# Altium PCB MOTHER_BOARD_V1.0.PcbDoc (part 2 of 2) (continued)
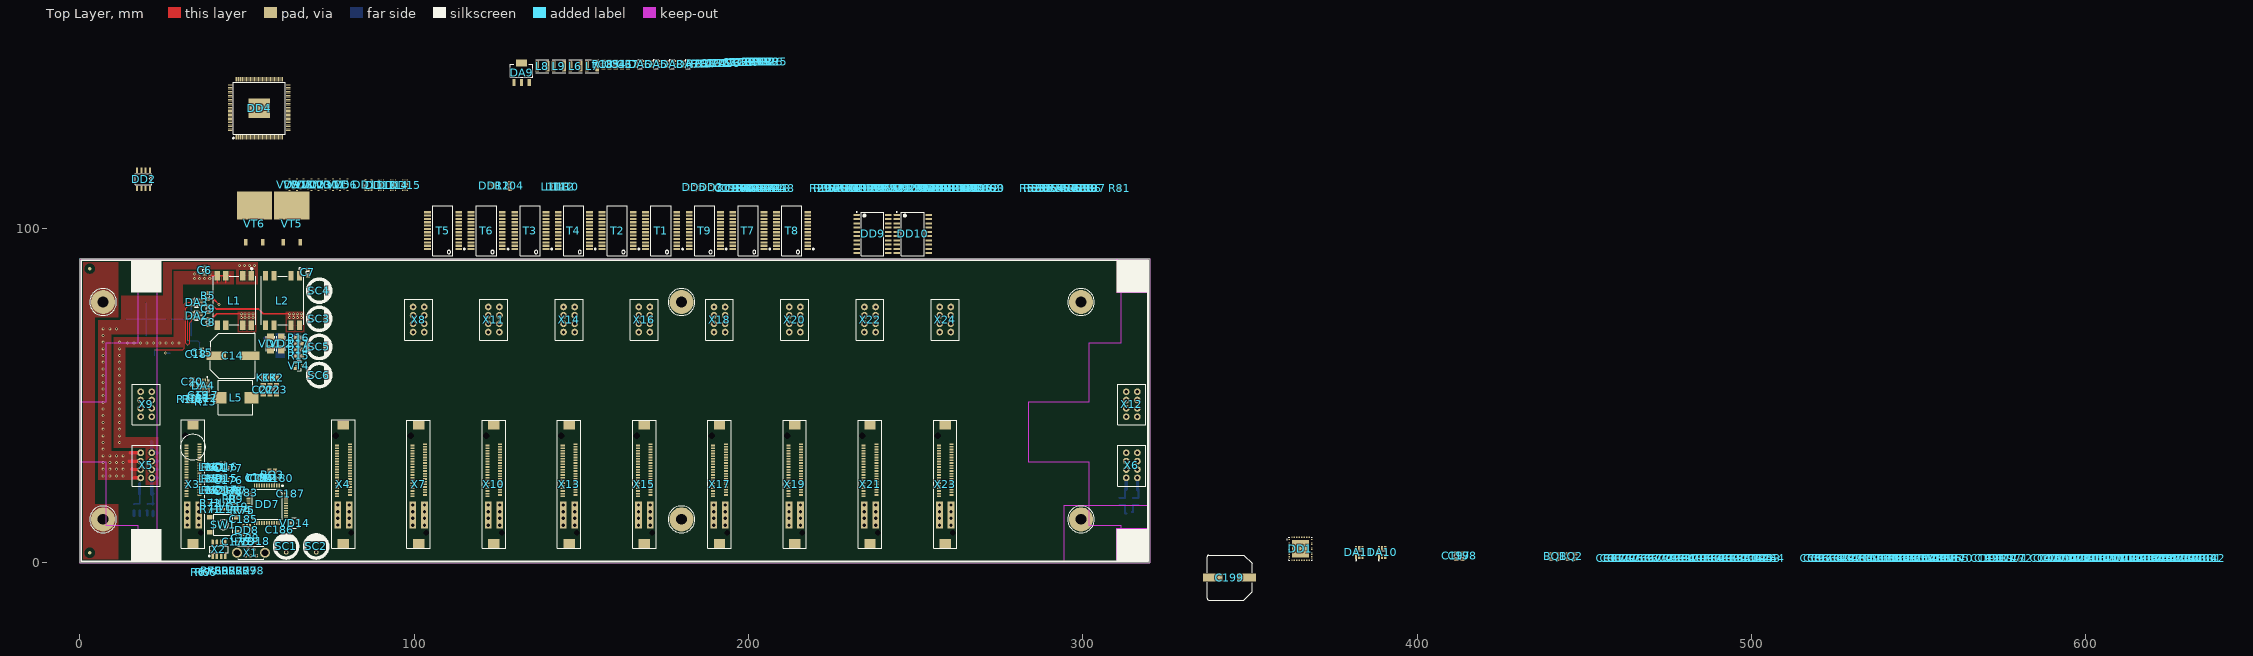
[diagram p0: Top Layer view]
## Nets (pads, with @x,y where several pads share a name; then routed paths per layer and width w, separated by ;. In a path a pad name is that pad's centre, name@x,y a point inside that pad or via, vN(x,y) a via of type N, cw(c..) or ccw(c..) an arc to the next point about the centre after c; other vN are vias at no path point) (continued)
P0_RXD1: DD1.31 DD4.97 R33.2
P0_RXD2: DD1.28 DD4.98 R34.2
P0_RXD3: DD1.27 DD4.99 R35.2
P0_TX_CLK: DD1.24 DD4.91
P0_TX_EN: DD1.25 DD4.90
P0_TXD0: DD1.19 DD4.89
P0_TXD1: DD1.20 DD4.88
P0_TXD2: DD1.21 DD4.86
P0_TXD3: DD1.22 DD4.85 R53.1
P0_TXRX_A_N: DD1.3 T1.3 VD5.9
P0_TXRX_A_P: DD1.2 T1.2 VD5.1
P0_TXRX_B_N: DD1.6 T1.6 VD5.8
P0_TXRX_B_P: DD1.5 T1.5 VD5.2
P0_TXRX_C_N: DD1.8 T1.9 VD5.4
P0_TXRX_C_P: DD1.7 T1.8 VD5.7
P0_TXRX_D_N: DD1.11 T1.12 VD5.5
P0_TXRX_D_P: DD1.10 T1.11 VD5.6
P1_MDC: DD7.51 X7.6
P1_MDIO: DD7.52 R80.2 X7.8
P1_PTP_SYNC: DD9.18 X7.10
P1_RESET: DD10.18 X7.12
P1_SW_ADDR0: R84.2 X7.9
P1_SW_ADDR1: R85.2 X7.11
P1_SW_ADDR2: R86.2 X7.13
P1_SW_ADDR3: R87.2 X7.15
P1_SW_ADDR4: R88.2 X7.17
P1_TXRX_A_N: T2.3 X7.38
P1_TXRX_A_P: T2.2 X7.40
P1_TXRX_B_N: T2.6 X7.37
P1_TXRX_B_P: T2.5 X7.39
P1_TXRX_C_N: T2.9 X7.32
P1_TXRX_C_P: T2.8 X7.34
P1_TXRX_D_N: T2.12 X7.31
P1_TXRX_D_P: T2.11 X7.33
P2_MDC: DD7.39 X10.6
P2_MDIO: DD7.40 R79.2 X10.8
P2_PTP_SYNC: DD9.17 X10.10
P2_RESET: DD10.17 X10.12
P2_SW_ADDR0: R89.2 X10.9
P2_SW_ADDR1: R90.2 X10.11
P2_SW_ADDR2: R91.2 X10.13
P2_SW_ADDR3: R92.2 X10.15
P2_SW_ADDR4: R93.2 X10.17
P2_TXRX_A_N: T3.3 X10.38
P2_TXRX_A_P: T3.2 X10.40
P2_TXRX_B_N: T3.6 X10.37
P2_TXRX_B_P: T3.5 X10.39
P2_TXRX_C_N: T3.9 X10.32
P2_TXRX_C_P: T3.8 X10.34
P2_TXRX_D_N: T3.12 X10.31
P2_TXRX_D_P: T3.11 X10.33
P3_MDC: DD7.8 X13.6
P3_MDIO: DD7.9 R76.2 X13.8
P3_PTP_SYNC: DD9.16 X13.10
P3_RESET: DD10.16 X13.12
P3_SW_ADDR0: R94.2 X13.9
P3_SW_ADDR1: R95.2 X13.11
P3_SW_ADDR2: R96.2 X13.13
P3_SW_ADDR3: R97.2 X13.15
P3_SW_ADDR4: R98.2 X13.17
P3_TXRX_A_N: T4.3 X13.38
P3_TXRX_A_P: T4.2 X13.40
P3_TXRX_B_N: T4.6 X13.37
P3_TXRX_B_P: T4.5 X13.39
P3_TXRX_C_N: T4.9 X13.32
P3_TXRX_C_P: T4.8 X13.34
P3_TXRX_D_N: T4.12 X13.31
P3_TXRX_D_P: T4.11 X13.33
P4_MDC: DD7.10 X15.6
P4_MDIO: DD7.11 R77.2 X15.8
P4_PTP_SYNC: DD9.15 X15.10
P4_RESET: DD10.15 X15.12
P4_SW_ADDR0: R99.2 X15.9
P4_SW_ADDR1: R100.2 X15.11
P4_SW_ADDR2: R101.2 X15.13
P4_SW_ADDR3: R102.2 X15.15
P4_SW_ADDR4: R103.2 X15.17
P4_TXRX_A_N: T5.3 X15.38
P4_TXRX_A_P: T5.2 X15.40
P4_TXRX_B_N: T5.6 X15.37
P4_TXRX_B_P: T5.5 X15.39
P4_TXRX_C_N: T5.9 X15.32
P4_TXRX_C_P: T5.8 X15.34
P4_TXRX_D_N: T5.12 X15.31
P4_TXRX_D_P: T5.11 X15.33
P5_MDC: DD7.35 X17.6
P5_MDIO: DD7.36 R67.2 X17.8
P5_PTP_SYNC: DD9.14 X17.10
P5_RESET: DD10.14 X17.12
P5_SW_ADDR0: R105.2 X17.9
P5_SW_ADDR1: R106.2 X17.11
P5_SW_ADDR2: R107.2 X17.13
P5_SW_ADDR3: R108.2 X17.15
P5_SW_ADDR4: R109.2 X17.17
P5_TXRX_A_N: T6.22 X17.38
P5_TXRX_A_P: T6.23 X17.40
P5_TXRX_B_N: T6.19 X17.37
P5_TXRX_B_P: T6.20 X17.39
P5_TXRX_C_N: T6.16 X17.32
P5_TXRX_C_P: T6.17 X17.34
P5_TXRX_D_N: T6.13 X17.31
P5_TXRX_D_P: T6.14 X17.33
P6_MDC: DD7.37 X19.6
P6_MDIO: DD7.38 R78.2 X19.8
P6_PTP_SYNC: DD9.13 X19.10
P6_RESET: DD10.13 X19.12
P6_SW_ADDR0: R110.2 X19.9
P6_SW_ADDR1: R111.2 X19.11
P6_SW_ADDR2: R112.2 X19.13
P6_SW_ADDR3: R113.2 X19.15
P6_SW_ADDR4: R114.2 X19.17
P6_TXRX_A_N: T7.22 X19.38
P6_TXRX_A_P: T7.23 X19.40
P6_TXRX_B_N: T7.19 X19.37
P6_TXRX_B_P: T7.20 X19.39
P6_TXRX_C_N: T7.16 X19.32
P6_TXRX_C_P: T7.17 X19.34
P6_TXRX_D_N: T7.13 X19.31
P6_TXRX_D_P: T7.14 X19.33
P7_MDC: DD7.56 X21.6
P7_MDIO: DD7.57 R68.1 X21.8
P7_PTP_SYNC: DD9.12 X21.10
P7_RESET: DD10.12 X21.12
P7_SW_ADDR0: R115.2 X21.9
P7_SW_ADDR1: R116.2 X21.11
P7_SW_ADDR2: R117.2 X21.13
P7_SW_ADDR3: R118.2 X21.15
P7_SW_ADDR4: R119.2 X21.17
P7_TXRX_A_N: T8.22 X21.38
P7_TXRX_A_P: T8.23 X21.40
P7_TXRX_B_N: T8.19 X21.37
P7_TXRX_B_P: T8.20 X21.39
P7_TXRX_C_N: T8.16 X21.32
P7_TXRX_C_P: T8.17 X21.34
P7_TXRX_D_N: T8.13 X21.31
P7_TXRX_D_P: T8.14 X21.33
P8_MDC: DD7.58 X23.6
P8_MDIO: DD7.59 R69.1 X23.8
P8_PTP_SYNC: DD9.11 X23.10
P8_RESET: DD10.11 X23.12
P8_SW_ADDR0: R120.2 X23.9
P8_SW_ADDR1: R121.2 X23.11
P8_SW_ADDR2: R122.2 X23.13
P8_SW_ADDR3: R123.2 X23.15
P8_SW_ADDR4: R124.2 X23.17
P8_TXRX_A_N: T9.22 X23.38
P8_TXRX_A_P: T9.23 X23.40
P8_TXRX_B_N: T9.19 X23.37
P8_TXRX_B_P: T9.20 X23.39
P8_TXRX_C_N: T9.16 X23.32
P8_TXRX_C_P: T9.17 X23.34
P8_TXRX_D_N: T9.13 X23.31
P8_TXRX_D_P: T9.14 X23.33
P9_P10_MDC: DD5.7 R56.1 X4.6
P9_P10_MDIO: DD5.6 R57.1 X4.8
P9_SGMII_RX_N: DD4.103 DD13.6
P9_SGMII_RX_P: DD4.104 DD13.7
P9_SGMII_TX_N: DD4.106 DD12.3
P9_SGMII_TX_P: DD4.107 DD12.2
P10_SGMII_RX_N: DD4.30 DD15.6
P10_SGMII_RX_P: DD4.31 DD15.7
P10_SGMII_TX_N: DD4.33 DD14.3
P10_SGMII_TX_P: DD4.34 DD14.2
PHY1_TXRX_A_N: DD4.111 T2.22 VD6.2
PHY1_TXRX_A_P: DD4.110 T2.23 VD6.1
PHY1_TXRX_B_N: DD4.112 T2.19 VD6.5
PHY1_TXRX_B_P: DD4.113 T2.20 VD6.4
PHY1_TXRX_C_N: DD4.116 T2.16 VD6.7
PHY1_TXRX_C_P: DD4.115 T2.17 VD6.6
PHY1_TXRX_D_N: DD4.117 T2.13 VD6.9
PHY1_TXRX_D_P: DD4.118 T2.14 VD6.8
PHY2_TXRX_A_N: DD4.120 T3.22 VD7.2
PHY2_TXRX_A_P: DD4.119 T3.23 VD7.1
PHY2_TXRX_B_N: DD4.121 T3.19 VD7.5
PHY2_TXRX_B_P: DD4.122 T3.20 VD7.4
PHY2_TXRX_C_N: DD4.125 T3.16 VD7.7
PHY2_TXRX_C_P: DD4.124 T3.17 VD7.6
PHY2_TXRX_D_N: DD4.126 T3.13 VD7.9
PHY2_TXRX_D_P: DD4.127 T3.14 VD7.8
PHY3_TXRX_A_N: DD4.129 T4.22 VD8.2
PHY3_TXRX_A_P: DD4.128 T4.23 VD8.1
PHY3_TXRX_B_N: DD4.130 T4.19 VD8.5
PHY3_TXRX_B_P: DD4.131 T4.20 VD8.4
PHY3_TXRX_C_N: DD4.134 T4.16 VD8.7
PHY3_TXRX_C_P: DD4.133 T4.17 VD8.6
PHY3_TXRX_D_N: DD4.135 T4.13 VD8.9
PHY3_TXRX_D_P: DD4.136 T4.14 VD8.8
PHY4_TXRX_A_N: DD4.138 T5.22 VD9.2
PHY4_TXRX_A_P: DD4.137 T5.23 VD9.1
PHY4_TXRX_B_N: DD4.139 T5.19 VD9.5
PHY4_TXRX_B_P: DD4.140 T5.20 VD9.4
PHY4_TXRX_C_N: DD4.143 T5.16 VD9.7
PHY4_TXRX_C_P: DD4.142 T5.17 VD9.6
PHY4_TXRX_D_N: DD4.1 T5.13 VD9.9
PHY4_TXRX_D_P: DD4.2 T5.14 VD9.8
PHY5_TXRX_A_N: DD4.39 T6.3 VD10.2
PHY5_TXRX_A_P: DD4.38 T6.2 VD10.1
PHY5_TXRX_B_N: DD4.40 T6.6 VD10.5
PHY5_TXRX_B_P: DD4.41 T6.5 VD10.4
PHY5_TXRX_C_N: DD4.44 T6.9 VD10.7
PHY5_TXRX_C_P: DD4.43 T6.8 VD10.6
PHY5_TXRX_D_N: DD4.45 T6.12 VD10.9
PHY5_TXRX_D_P: DD4.46 T6.11 VD10.8
PHY6_TXRX_A_N: DD4.48 T7.3 VD11.2
PHY6_TXRX_A_P: DD4.47 T7.2 VD11.1
PHY6_TXRX_B_N: DD4.49 T7.6 VD11.5
PHY6_TXRX_B_P: DD4.50 T7.5 VD11.4
PHY6_TXRX_C_N: DD4.53 T7.9 VD11.7
PHY6_TXRX_C_P: DD4.52 T7.8 VD11.6
PHY6_TXRX_D_N: DD4.54 T7.12 VD11.9
PHY6_TXRX_D_P: DD4.55 T7.11 VD11.8
PHY7_TXRX_A_N: DD4.57 T8.3 VD12.2
PHY7_TXRX_A_P: DD4.56 T8.2 VD12.1
PHY7_TXRX_B_N: DD4.58 T8.6 VD12.5
PHY7_TXRX_B_P: DD4.59 T8.5 VD12.4
PHY7_TXRX_C_N: DD4.62 T8.9 VD12.7
PHY7_TXRX_C_P: DD4.61 T8.8 VD12.6
PHY7_TXRX_D_N: DD4.63 T8.12 VD12.9
PHY7_TXRX_D_P: DD4.64 T8.11 VD12.8
PHY8_TXRX_A_N: DD4.66 T9.3 VD13.2
PHY8_TXRX_A_P: DD4.65 T9.2 VD13.1
PHY8_TXRX_B_N: DD4.67 T9.6 VD13.5
PHY8_TXRX_B_P: DD4.68 T9.5 VD13.4
PHY8_TXRX_C_N: DD4.71 T9.9 VD13.7
PHY8_TXRX_C_P: DD4.70 T9.8 VD13.6
PHY8_TXRX_D_N: DD4.73 T9.12 VD13.9
PHY8_TXRX_D_P: DD4.74 T9.11 VD13.8
PVIN: C13.1 C14.1 C15.2 C18.2 DA2.6 DA3.6 DA4.1 DA4.7 L17.1 VT2.3 VT3.3 X3.P1 X3.P2 X3.P3 X3.P4 X4.P1 X4.P2 X4.P3 X4.P4 X7.P1 X7.P2 X7.P3 X7.P4 X10.P1 X10.P2 X10.P3 X10.P4 X13.P1 X13.P2 X13.P3 X13.P4 X15.P1 X15.P2 X15.P3 X15.P4 X17.P1 X17.P2 X17.P3 X17.P4 X19.P1 X19.P2 X19.P3 X19.P4 X21.P1 X21.P2 X21.P3 X21.P4 X23.P1 X23.P2 X23.P3 X23.P4 | length 22.1
  Top Layer w0.3: DA2.6@33.643,73.012 33.635,73.012 33.475,72.852 33.475,72.375 32.95,71.85 32.95,65.675 v2(32.35,65.075) 31.728,65.697 31.728,76.178 32.479,76.929 DA3.6@33.643,76.929
PVIN_BMC: C5.2 DA1.2@57.045,65.575 DA1.7 VD1.2 VD2.2
RESET_FROM_CPU: DD10.2 DD10.3 DD10.4 DD10.5 DD10.6 DD10.7 DD10.8 DD10.9 DD11.1 R82.1 X3.12 X4.12
RS485_AB_N: DD6.7 R64.1 VD14.1 X3.4 X4.4 X7.4 X10.4 X13.4 X15.4 X17.4 X19.4 X21.4 X23.4
RS485_AB_P: DD6.6 R64.2 VD14.2 X3.2 X4.2 X7.2 X10.2 X13.2 X15.2 X17.2 X19.2 X21.2 X23.2
SHIELD: C1.2 C2.1 C3.2 C4.1 pad.M3 RU1.1 RU2.2 RU3.1 RU4.2 | length 14.6
  Bottom Layer w0.6: C3.2@310.95,17.35 310.95,17.25 RU3.1@312.675,17.25 312.675,14.75 313.025,14.75 ; 314.775,15.2 315.05,15.2 C4.1@315.05,17.35 316.725,17.35 RU4.2@316.725,17.25
  Bottom Layer w0.8: 16.233,14.125 C1.2@16.233,15.541 ; 17.917,14.175 RU1.1@17.917,15.517 ; C2.1@20.05,15.541 C2.1@20.202,15.541 20.202,14.25
  Bottom Layer w0.83: 21.886,14.025 RU2.2@21.886,15.517
SW_MDC: DD3.7 DD7.28 R38.1
SW_MDIO: DD3.6 DD7.55 R41.1
SW_PHY_MDC: DD1.36 DD4.101 DD5.2 R55.1
SW_PHY_MDIO: DD1.37 DD4.100 DD5.3 R54.1
SYS_PWR_ON: DA4.15 R8.1 R9.1 X3.14 X4.14 X7.14 X10.14 X13.14 X15.14 X17.14 X19.14 X21.14 X23.14 | length 0.5
  Top Layer w0.2: DA4.15@38.175,51.2 38.175,51.165 38.215,51.125 v2(38.625,51.125)
SYS_RESET: DD1.42 DD4.17 DD11.4 R83.1
UART_DIR: DD6.2 DD6.3 DD7.41 R65.1
UART_RXD: DD6.1 DD7.43
UART_TXD: DD6.4 DD7.42
VCC_ADC: C182.2 C184.2 DD7.13 L19.1 VD15.2 VD16.2 VD17.2
VIN1: C8.2 DA2.1 DA3.3 L1.9 L1.10 L15.1 R5.1 VD1.1 VT2.4 | length 40.5
  Top Layer w0.5: DA2.1@36.263,73.012 36.271,73.02 38.425,73.02 C8.2@38.43,73.025 ; DA3.3@36.263,78.829 36.268,78.824 38.403,78.824 R5.1@38.408,78.819 40.106,78.819 v1(41.65,77.275) ; C8.2@38.433,73.028 C8.2@38.43,73.025 ; v1(48.342,74.5) 40.95,74.5 39.475,73.025 C8.2@38.43,73.025
  Bottom Layer w0.5: 27.358,72.892 VT2.4@33.363,72.892 ; 33.35,67.9 33.363,67.9 VT2.4@33.363,72.892 ; 33.375,77.75 33.363,77.75 VT2.4@33.363,72.892 ; 39.233,72.892 VT2.4@33.363,72.892
  other v1: 48.342,73.4 49.442,73.4 50.642,73.4 51.842,73.4 49.442,74.5 50.642,74.5 51.842,74.5
VIN1+: C1.1 C6.2 L1.1 L1.2 RU1.2 VD3.2 X5.1 X5.3 X5.5 X5.7 | length 19.3
  Top Layer w1: 14.75,30.45 14.75,30.406 X5.3@18.235,30.406 ; 15.025,32.906 X5.1@18.235,32.906 ; 15.6,28 15.6,27.906 X5.5@18.235,27.906 ; 16.25,25.475 16.25,25.406 X5.7@18.235,25.406
  Bottom Layer w0.5: C1.1@16.233,17.541 16.321,17.629 17.829,17.629 RU1.2@17.917,17.717 17.917,20.658 VD3.2@17.905,20.671
  Bottom Layer w1: 17.875,23.675 17.905,23.645 VD3.2@17.905,20.671
  other v1: 7,26 9,26 11,26 13,26 7,28 9,28 11,28 13,28 7,30 9,30 11,30 13,30 7,32 9,32 11,32 13,32 7,34 7,36 7,38 7,40 7,42 7,44 7,46 7,48 7,50 7,52 7,54 7,56 7,58 7,60 7,62 7,64 7,66 7,68 7,70 9,70 11,70 47.75,89 49.25,89 50.75,89 52.25,89
VIN1-: C2.2 C6.1 L1.4 L1.5 RU2.1 VD3.1 X5.2 X5.4 X5.6 X5.8 | length 30.6
  Top Layer w0.5: 39.392,85.833 45.117,85.833 45.225,85.725 ; L1.5@41.108,85.833 41.108,83.775 41.15,83.775 ; L1.4@43.648,85.833 43.648,83.8 43.7,83.8
  Bottom Layer w0.5: C2.2@20.202,17.541 20.29,17.629 21.798,17.629 RU2.1@21.886,17.717 ; RU2.1@21.82,17.717 VD3.1@21.82,20.605
  Bottom Layer w1: 21.325,36.3 21.565,36.3 X5.2@21.565,32.906 23.25,32.906 ; VD3.1@21.55,21.025 VD3.1@21.565,21.01 ; VD3.1@21.565,20.55 VD3.1@21.565,21.01 ; X5.6@21.565,27.906 23.25,27.906 ; X5.4@21.565,30.406 23.25,30.406 ; VD3.1@21.755,20.671 VD3.1@21.82,20.605 ; RU2.1@21.82,17.717 RU2.1@21.886,17.717 ; VD3.1@21.905,20.671 VD3.1@21.565,21.01 ; 23.25,25.406 X5.8@21.565,25.406 VD3.1@21.565,21.01
  other v1: 11.975,36 11.975,38 11.975,40 11.975,42 11.975,44 11.975,46 11.975,48 11.975,50 11.975,52 11.975,54 11.975,56 11.975,58 11.975,60 11.975,62 11.975,64 14.325,65.75 16.25,65.75 18.175,65.75 20.1,65.75 22.025,65.75 23.95,65.75 25.875,65.75 27.8,65.75 29.725,65.75 11.975,66 34.4,85 35.9,85 37.4,85 38.9,85 34.4,86.4 35.9,86.4 38.9,86.4
VIN1_STATE: DA2.4 DD7.21 R6.1
VIN2: C9.2 DA3.1 L2.9 L2.10 L16.1 VD2.1 VT3.4 | length 49.3
  Top Layer w0.5: DA3.1@36.263,76.929 36.266,76.932 38.43,76.932 C9.2@38.433,76.935 39.865,76.935 40.875,75.925 53.475,75.925 54.9,74.5 v1(62.8,74.5)
  Bottom Layer w0.5: 13.9,72.9 13.9,72.892 VT3.4@19.905,72.892 ; 19.905,67.9 VT3.4@19.905,72.892 ; 19.905,77.75 VT3.4@19.905,72.892 ; 25.775,72.85 25.775,72.892 VT3.4@19.905,72.892
  other v1: 62.8,73.4 63.9,73.4 65.1,73.4 66.3,73.4 63.9,74.5 65.1,74.5 66.3,74.5
VIN2+: C3.1 C7.2 L2.1 L2.2 RU3.2 VD4.2 X6.1 X6.3 X6.5 X6.7 | length 7.8
  Bottom Layer w0.6: C3.1@310.95,19.35 311,19.4 312.625,19.4 RU3.2@312.675,19.45 312.675,22.017 VD4.2@312.7,22.041
  Bottom Layer w1: VD4.2@313.035,22.029 X6.7@313.035,25.416
VIN2-: C4.2 C7.1 L2.4 L2.5 RU4.1 VD4.1 X6.2 X6.4 X6.6 X6.8 | length 7.9
  Bottom Layer w0.6: C4.2@315.05,19.35 315.1,19.4 316.675,19.4 RU4.1@316.725,19.45 316.725,22.016 VD4.1@316.7,22.041
  Bottom Layer w1: VD4.1@316.365,21.875 X6.8@316.365,25.416
VIN2_STATE: DA3.4 DD7.20 R7.1
pads on no net: BQ1.2 BQ1.4 BQ2.2 BQ2.4 BQ3.2 BQ3.4 DA1.0 DA1.1@58.075,67.225 DA1.2@55.015,67.225 DA1.3@55.015,66.725 DA1.6 DA1.9 DA4.0 DA4.3 DA4.4 DA9.4 DA10.4 DA11.4 DD1.38 DD1.41 DD1.43 DD4.3 DD4.6 DD4.22 DD4.23 DD4.25 DD4.26 DD4.27 DD4.28 DD4.29 DD4.35 DD4.77 DD4.78 DD4.79 DD4.83 DD7.2 DD7.3 DD7.4 DD7.23 DD7.26 DD7.27 DD7.50 DD7.53 DD7.54 DD7.61 DD7.62 DD12.5 DD13.5 DD14.5 DD15.5 SW1.1 X1.4 X1.SH1 X1.SH2 X3.0 X3.9 X3.11 X3.13 X3.15 X3.16 X3.17 X3.18 X3.19 X3.20 X3.21 X3.22 X3.23 X3.24 X3.25 X3.26 X3.27 X3.28 X3.MO X4.0 X4.9 X4.11 X4.13 X4.15 X4.16 X4.17 X4.18 X4.19 X4.20 X4.21 X4.22 X4.23 X4.24 X4.25 X4.26 X4.27 X4.28 X4.MO X7.0 X7.16 X7.18 X7.19 X7.20 X7.21 X7.22 X7.23 X7.24 X7.25 X7.26 X7.MO X10.0 X10.16 X10.18 X10.19 X10.20 X10.21 X10.22 X10.23 X10.24 X10.25 X10.26 X10.MO X13.0 X13.16 X13.18 X13.19 X13.20 X13.21 X13.22 X13.23 X13.24 X13.25 X13.26 X13.MO X15.0 X15.16 X15.18 X15.19 X15.20 X15.21 X15.22 X15.23 X15.24 X15.25 X15.26 X15.MO X17.0 X17.16 X17.18 X17.19 X17.20 X17.21 X17.22 X17.23 X17.24 X17.25 X17.26 X17.MO X19.0 X19.16 X19.18 X19.19 X19.20 X19.21 X19.22 X19.23 X19.24 X19.25 X19.26 X19.MO X21.0 X21.18 X21.19 X21.20 X21.21 X21.22 X21.23 X21.24 X21.25 X21.26 X21.MO X23.0 X23.18 X23.19 X23.20 X23.21 X23.22 X23.23 X23.24 X23.25 X23.26 X23.MO

## Polygon pours and split planes (outlines as drawn)
SHIELD on Bottom Layer "SHIELD_L06_P015" (solid, remove dead copper, pour order 15): 320,17.125 294.375,17.125 294.375,0 320,0
PVIN on Bottom Layer "PVIN_L06_P014" (solid, remove dead copper, pour order 14): 15.15,63.675 15.15,59.375 32.825,59.375 32.825,60.625 32.825,63.675
SHIELD on Bottom Layer "SHIELD_L06_P013" (solid, remove dead copper, pour order 13): 22.3,14.767 11.1,14.767 11.1,12.875 22.3,12.875
VIN1+ on Bottom Layer "VIN1+_L06_P012" (solid, remove dead copper, pour order 12): 53.2,83.275 53.2,91 46.825,91 46.825,83.275
VIN1- on Bottom Layer "Q" (solid, remove dead copper, pour order 11): 24.125,24.9 24.125,37.625 13.7,37.625 13.7,64.425 30.5,64.425 30.5,66.575 13,66.575 13,67.525 10.175,67.525 10.175,35.206 22.767,35.206 22.767,24.9
VIN1+ on Bottom Layer "VIN1+_L06_P010" (solid, remove dead copper, pour order 10): 19.825,34.45 19.825,23.325 5.501,23.325 5.501,72.499 13,72.499 13,68.325 9.4,68.325 9.4,34.45
VIN2 on Bottom Layer "VIN2_L06_P007" (solid, remove dead copper, pour order 7): 26.2,67.2 13.6,67.2 13.6,78.7 23.4,78.7 23.4,82.2 67.2,82.2 67.2,72.7 61.7,72.7 61.7,79 26.2,79
VIN1 on Bottom Layer "VIN1_L06_P005" (solid, remove dead copper, pour order 5): 52.742,72.7 39.8,72.7 39.8,67.2 27,67.2 27,78.1 52.742,78.1
SHIELD on Bottom Layer "SHIELD_L06_P000" (solid, remove dead copper, pour order 0): 0,91 11.5,91 11.5,73.5 4.5,73.5 4.5,17.5 11.5,17.5 11.5,0 0,0
VIN1- on Top Layer "VIN1-_L01_P001" (solid, remove dead copper, pour order 1): 19.825,34.475 10.175,34.475 10.175,67.525 28.125,67.525 28.125,87.225 46.075,87.225 46.075,83.275 30.825,83.275 30.825,64.425 13.7,64.425 13.7,37.625 23.5,37.625 23.5,23.325 19.825,23.325
VIN1+ on Top Layer "VIN1+_L01_P009" (solid, remove dead copper, pour order 9): 16.975,24.9 16.975,33.425 9.4,33.425 9.4,68.325 27.5,68.325 27.5,87.75 46.825,87.75 46.825,83.275 53.2,83.275 53.2,90.025 25.05,90.025 25.05,79.925 11.5,79.925 11.5,72.525 4.5,72.525 4.5,24.9
VIN1 on Top Layer "VIN1_L01_P008" (solid, remove dead copper, pour order 8): 47.242,69 52.742,69 52.742,75.1 47.242,75.1
VIN2 on Top Layer "VIN2_L01_P004" (solid, remove dead copper, pour order 4): 61.7,69 67.2,69 67.2,75.1 61.7,75.1
SHIELD on Top Layer "Q" (solid, remove dead copper, pour order 3): 0,91 11.5,91 11.5,73.5 4.5,73.5 4.5,17.5 11.5,17.5 11.5,0 0,0
no net on Layer 5 (split plane): 319.49,17.125 294.375,17.125 294.375,0.51 12,0.51 12,18 5,18 5,23.048 23.7,23.048 23.765,23.056 23.826,23.082 23.878,23.122 23.918,23.174 23.944,23.235 23.952,23.3 23.952,37.6 23.944,37.665 23.918,37.726 23.878,37.778 23.826,37.818 23.765,37.844 23.7,37.852 13.952,37.852 13.952,63.948 31.4,63.948 31.465,63.956 31.526,63.982 31.578,64.022 31.618,64.074 31.644,64.135 31.652,64.2 31.652,83.023 46.5,83.023 46.565,83.031 46.626,83.057 46.678,83.097 46.718,83.149 46.744,83.21 46.752,83.275 46.752,87.348 53.7,87.348 53.765,87.356 53.826,87.382 53.878,87.422 53.918,87.474 53.944,87.535 53.952,87.6 53.952,90.49 319.49,90.49
VIN1- on Layer 5 (split plane): 46.248,83.527 31.4,83.527 31.335,83.519 31.274,83.493 31.222,83.453 31.182,83.401 31.156,83.34 31.148,83.275 31.148,64.452 13.7,64.452 13.635,64.444 13.574,64.418 13.522,64.378 13.482,64.326 13.456,64.265 13.448,64.2 13.448,37.6 13.456,37.535 13.482,37.474 13.522,37.422 13.574,37.382 13.635,37.356 13.7,37.348 23.448,37.348 23.448,23.552 20.152,23.552 20.152,34.7 20.144,34.765 20.118,34.826 20.078,34.878 20.026,34.918 19.965,34.944 19.9,34.952 9.952,34.952 9.952,67.648 27.5,67.648 27.565,67.656 27.626,67.682 27.678,67.722 27.718,67.774 27.744,67.835 27.752,67.9 27.752,87.348 46.248,87.348
VIN1+ on Layer 5 (split plane): 53.448,87.852 27.5,87.852 27.435,87.844 27.374,87.818 27.322,87.778 27.282,87.726 27.256,87.665 27.248,87.6 27.248,68.152 9.7,68.152 9.635,68.144 9.574,68.118 9.522,68.078 9.482,68.026 9.456,67.965 9.448,67.9 9.448,34.7 9.456,34.635 9.482,34.574 9.522,34.522 9.574,34.482 9.635,34.456 9.7,34.448 19.648,34.448 19.648,23.552 5,23.552 5,73 12,73 12,79.65 23.25,79.65 23.25,90.49 53.448,90.49
no net on Layer 2 (split plane): 319.49,17.125 294.375,17.125 294.375,0.51 12,0.51 12,18 5,18 5,23.048 23.7,23.048 23.765,23.056 23.826,23.082 23.878,23.122 23.918,23.174 23.944,23.235 23.952,23.3 23.952,37.6 23.944,37.665 23.918,37.726 23.878,37.778 23.826,37.818 23.765,37.844 23.7,37.852 13.952,37.852 13.952,63.948 31.4,63.948 31.465,63.956 31.526,63.982 31.578,64.022 31.618,64.074 31.644,64.135 31.652,64.2 31.652,83.023 46.5,83.023 46.565,83.031 46.626,83.057 46.678,83.097 46.718,83.149 46.744,83.21 46.752,83.275 46.752,87.348 53.7,87.348 53.765,87.356 53.826,87.382 53.878,87.422 53.918,87.474 53.944,87.535 53.952,87.6 53.952,90.49 319.49,90.49
VIN1- on Layer 2 (split plane): 46.248,83.527 31.4,83.527 31.335,83.519 31.274,83.493 31.222,83.453 31.182,83.401 31.156,83.34 31.148,83.275 31.148,64.452 13.7,64.452 13.635,64.444 13.574,64.418 13.522,64.378 13.482,64.326 13.456,64.265 13.448,64.2 13.448,37.6 13.456,37.535 13.482,37.474 13.522,37.422 13.574,37.382 13.635,37.356 13.7,37.348 23.448,37.348 23.448,23.552 20.152,23.552 20.152,34.7 20.144,34.765 20.118,34.826 20.078,34.878 20.026,34.918 19.965,34.944 19.9,34.952 9.952,34.952 9.952,67.648 27.5,67.648 27.565,67.656 27.626,67.682 27.678,67.722 27.718,67.774 27.744,67.835 27.752,67.9 27.752,87.348 46.248,87.348
VIN1+ on Layer 2 (split plane): 53.448,87.852 27.5,87.852 27.435,87.844 27.374,87.818 27.322,87.778 27.282,87.726 27.256,87.665 27.248,87.6 27.248,68.152 9.7,68.152 9.635,68.144 9.574,68.118 9.522,68.078 9.482,68.026 9.456,67.965 9.448,67.9 9.448,34.7 9.456,34.635 9.482,34.574 9.522,34.522 9.574,34.482 9.635,34.456 9.7,34.448 19.648,34.448 19.648,23.552 5,23.552 5,73 12,73 12,79.648 23,79.648 23.065,79.656 23.126,79.682 23.178,79.722 23.218,79.774 23.244,79.835 23.252,79.9 23.252,90.49 53.448,90.49

## Keep-outs
Top Layer:
  rectangle: 310.125,80.875 320,91
  rectangle: 310.05,0.05 319.95,10.175
  region: 294.375,17.125 294.375,0.05 319.95,0.05 319.95,17.125
Layer 3:
  region: 294.425,17.075 294.425,0 320,0 320,17.075
Layer 4:
  region: 294.425,17.075 294.425,0 320,0 320,17.075
Bottom Layer:
  rectangle: 310.125,80.875 320,91
  rectangle: 310.1,0 320,10.125
Keep-Out Layer:
  region: 0,30.1 0,48.2 7.963,48.2 7.963,65.9 17.463,65.9 17.463,82.8 23.088,82.8 23.088,7.8 17.463,7.8 17.463,11.1 7.963,11.1 7.963,30.1
  region: 283.911,30.105 283.911,48.205 302.011,48.205 302.011,65.905 311.511,65.905 311.511,82.805 320.011,82.805 320.011,7.805 311.511,7.805 311.511,11.105 302.011,11.105 302.011,30.105
  lines w0.1: 0,0 0,91 320,91 320,0 0,0

## Other copper
Top Layer:
  pour cut-out: 1.5,88 ccw(c3,88) 3,86.5 ccw(c3,88) 4.5,88 ccw(c3,88) 3,89.5 ccw(c3,88)
  pour cut-out: 1.5,3 ccw(c3,3) 3,1.5 ccw(c3,3) 4.5,3 ccw(c3,3) 3,4.5 ccw(c3,3)
  pour cut-out: 42.158,87.225 42.158,86.075 42.598,86.075 42.598,87.225
Layer 3:
  pour cut-out: 12,91 12,73 5,73 5,18 12,18 12,0 0,0 0,91
Layer 4:
  pour cut-out: 12,91 12,73 5,73 5,18 12,18 12,0 0,0 0,91
Bottom Layer:
  pour cut-out: 4.5,3 cw(c3,3) 3,1.5 cw(c3,3) 1.5,3 cw(c3,3) 3,4.5 cw(c3,3)
  pour cut-out: 4.5,88 cw(c3,88) 3,86.5 cw(c3,88) 1.5,88 cw(c3,88) 3,89.5 cw(c3,88)
  pour cut-out: 310.075,17.125 310.075,16.15 318.941,16.15 318.941,17.125
  pour cut-out: 20.65,63.675 20.65,60.65 24.175,60.65 24.175,63.675
Layer 2 (plane layer: these items are gaps in the copper):
  pour cut-out: 294.375,0 294.375,17.125 320,17.125 320,0
  pour cut-out: 11.8,79.9 11.8,90.55 23,90.55 23,79.9
  pour cut-out: 12,91 12,73 5,73 5,18 12,18 12,0 0,0 0,91
  lines w0.5: 4,23.3 19.9,23.3 ; 46.5,87.6 46.5,83.275 31.4,83.275 31.4,64.2 13.7,64.2 13.7,37.6 23.7,37.6 23.7,23.3 19.9,23.3 ; 53.7,91 53.7,87.6 27.5,87.6 27.5,67.9 9.7,67.9 9.7,34.7 19.9,34.7 19.9,23.3 ; 11.8,90.55 11.8,79.9 23,79.9 23,90.55 ; 11.8,90.55 23,90.55 ; 11.8,90.55 23,90.55
Layer 5 (plane layer: these items are gaps in the copper):
  pour cut-out: 294.375,0 294.375,17.125 320,17.125 320,0
  pour cut-out: 11.975,79.65 11.975,90.7 23.25,90.7 23.25,79.65
  pour cut-out: 12,91 12,73 5,73 5,18 12,18 12,0 0,0 0,91
  lines w0.5: 4,23.3 19.9,23.3 19.9,34.7 9.7,34.7 9.7,67.9 27.5,67.9 27.5,87.6 53.7,87.6 53.7,91 ; 19.425,23.3 23.7,23.3 23.7,37.6 13.7,37.6 13.7,64.2 31.4,64.2 31.4,83.275 46.5,83.275 46.5,87.6

## Silkscreen, mask and mechanical layers (free items; w line width, h text height)
Top Overlay:
  circle w0.254: c33.875,34.625 r3.806
  circle w0.25: c180,13 r4
  circle w0.25: c299.5,13 r4
  circle w0.25: c299.5,78 r4
  circle w0.25: c180,78 r4
  circle w0.25: c7,13 r4
  circle w0.25: c7,78 r4
  region: 24.475,10.125 15.3,10.125 15.3,0.225 24.475,0.225
  region: 319.525,10.125 310.1,10.125 310.1,0.225 319.525,0.225
  rectangle: 310.125,80.875 319.525,90.775
  rectangle: 15.325,80.875 24.5,90.775
  lines w0.5: 0.45,0.45 0.45,90.55 319.55,90.55 319.55,0.45 0.45,0.45
Bottom Overlay:
  circle w0.25: c314.7,84.5 r3.25
  circle w0.25: c19.9,84.5 r3.25
  circle w0.25: c314.7,6.5 r3.25
  circle w0.25: c19.9,6.5 r3.25
  circle w0.25: c180,13 r4
  circle w0.25: c180,78 r4
  circle w0.25: c299.5,13 r4
  circle w0.25: c299.5,78 r4
  circle w0.25: c7,13 r4
  circle w0.25: c7,78 r4

## Text inside footprints (layer, text, board x,y; h text height)
HL1: Top Overlay "+" at 40.285,16.325 h0.76 r270
HL2: Top Overlay "+" at 40.285,18.232 h0.76 r270
X5: Mechanical 1 "2" at 21.175,21.531 h1; Mechanical 1 "1" at 18.1,21.531 h1; Mechanical 1 "2" at 21.175,35.656 h1; Mechanical 1 "1" at 18.1,35.656 h1
X6: Mechanical 1 "2" at 315.975,21.541 h1; Mechanical 1 "1" at 312.9,21.541 h1; Mechanical 1 "2" at 315.975,35.666 h1; Mechanical 1 "1" at 312.9,35.666 h1
X8: Mechanical 1 "2" at 102.658,65.155 h1; Mechanical 1 "1" at 99.583,65.155 h1; Mechanical 1 "2" at 102.658,79.28 h1; Mechanical 1 "1" at 99.583,79.28 h1
X9: Mechanical 1 "2" at 21.156,39.815 h1; Mechanical 1 "1" at 18.081,39.815 h1; Mechanical 1 "2" at 21.156,53.94 h1; Mechanical 1 "1" at 18.081,53.94 h1
X11: Mechanical 1 "1" at 122.083,79.28 h1; Mechanical 1 "2" at 125.158,79.28 h1; Mechanical 1 "2" at 125.158,65.155 h1; Mechanical 1 "1" at 122.083,65.155 h1
X12: Mechanical 1 "2" at 315.956,39.815 h1; Mechanical 1 "1" at 312.881,39.815 h1; Mechanical 1 "2" at 315.956,53.94 h1; Mechanical 1 "1" at 312.881,53.94 h1
X14: Mechanical 1 "1" at 144.584,65.155 h1; Mechanical 1 "2" at 147.659,65.155 h1; Mechanical 1 "2" at 147.659,79.28 h1; Mechanical 1 "1" at 144.584,79.28 h1
X16: Mechanical 1 "2" at 170.159,65.155 h1; Mechanical 1 "1" at 167.084,65.155 h1; Mechanical 1 "2" at 170.159,79.28 h1; Mechanical 1 "1" at 167.084,79.28 h1
X18: Mechanical 1 "1" at 189.585,65.155 h1; Mechanical 1 "2" at 192.66,65.155 h1; Mechanical 1 "2" at 192.66,79.28 h1; Mechanical 1 "1" at 189.585,79.28 h1
X20: Mechanical 1 "1" at 212.085,79.28 h1; Mechanical 1 "2" at 215.16,79.28 h1; Mechanical 1 "2" at 215.16,65.155 h1; Mechanical 1 "1" at 212.085,65.155 h1
X22: Mechanical 1 "1" at 234.585,65.155 h1; Mechanical 1 "2" at 237.66,65.155 h1; Mechanical 1 "2" at 237.66,79.28 h1; Mechanical 1 "1" at 234.585,79.28 h1
X24: Mechanical 1 "1" at 257.086,79.28 h1; Mechanical 1 "2" at 260.161,79.28 h1; Mechanical 1 "2" at 260.161,65.155 h1; Mechanical 1 "1" at 257.086,65.155 h1